# Altium PCB AT short bus ( 7 x 4.2 inches).PCBDOC (part 2 of 4)
Units mil, origin at the board's own origin, x right, y up, seen from the top; angles counter-clockwise.
Board outline 7000 x 4200 mil, 2 copper layers (TopLayer, BottomLayer), stack 65.792 mil thick; 180 components, 429 nets, 1316 pads, 544 vias.
Unrouted connection lines stored in the file: 1.
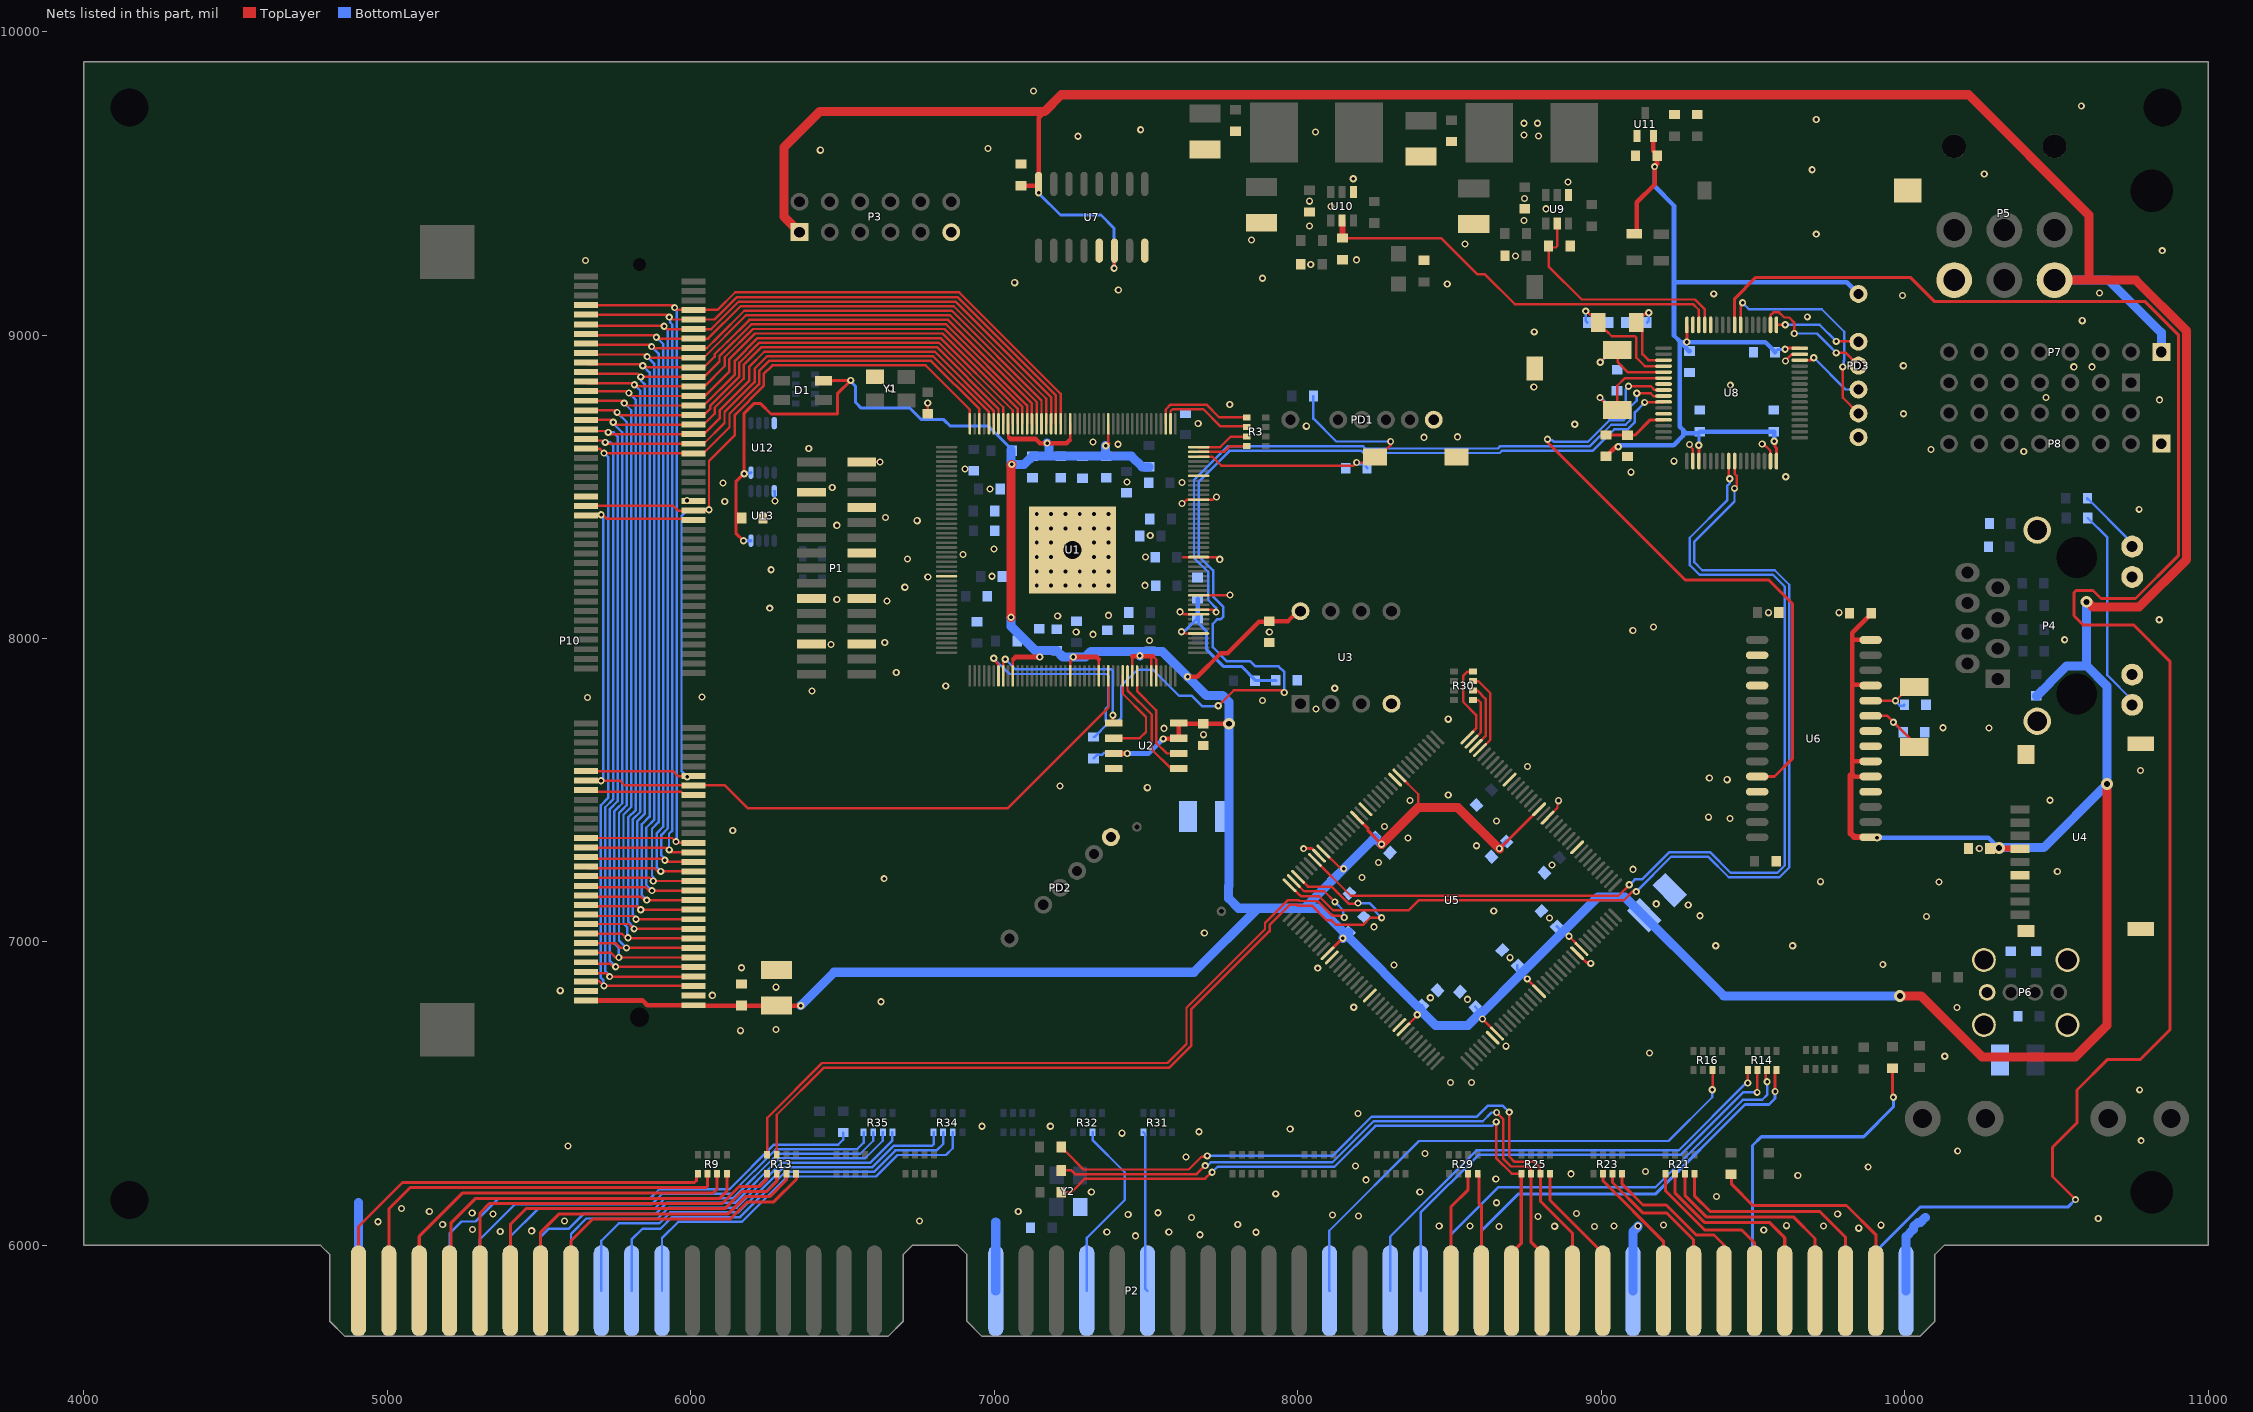
[diagram p2: the nets of this part, all layers, seen from the top]

## Via types
v1: diameter 23.62, hole 12.99, TopLayer to BottomLayer, tented both sides, 193 vias
v2: diameter 24.02, hole 11.81, TopLayer to BottomLayer, tented both sides, 137 vias
v3: diameter 23.62, hole 11.81, TopLayer to BottomLayer, tented both sides, 109 vias
v4: diameter 23.62, hole 11.81, TopLayer to BottomLayer, 38 vias
v5: diameter 25.98, hole 12.99, TopLayer to BottomLayer, tented both sides, 32 vias
v6: diameter 23.62, hole 12.99, TopLayer to BottomLayer, 25 vias
v7: diameter 39.37, hole 19.68, TopLayer to BottomLayer, tented both sides, 5 vias
v8: diameter 70, hole 70, TopLayer to BottomLayer, 2 vias
v9: diameter 39.37, hole 39.37, TopLayer to BottomLayer, tented both sides, 2 vias
v10: diameter 98.43, hole 59.06, TopLayer to BottomLayer, tented both sides, 1 vias

## Nets (pads, with @x,y where several pads share a name; then routed paths per layer and width w, separated by ;. In a path a pad name is that pad's centre, name@x,y a point inside that pad or via, vN(x,y) a via of type N, cw(c..) or ccw(c..) an arc to the next point about the centre after c; other vN are vias at no path point) (continued)
A15: P2.A16 R29.6 | length 409.5
  TopLayer w10: P2.A16@8505,5850 8505,6126.92 8561.75,6183.66 R29.6@8561.75,6236
A16: P2.A15 R29.5 | length 396.6
  TopLayer w10: R29.5@8593.24,6236 8598.09,6231.16 8598.09,6137.6 8605,6130.68 8605,5957.39 8598.09,5950.47 8598.09,5856.91 P2.A15@8605,5850
A17: P2.A14 R25.4 R28.2 | length 2151.1
  TopLayer w8: R28.2@7221.43,6175 7254,6175 7299,6220 7695,6220 7716,6241 v3(7718,6241) ; v3(8654,6407) 8654,6287.79 8705.79,6236 R25.4@8736.67,6236
  TopLayer w10: P2.A14@8705,5850 8705,5975 8736.67,6006.67 R25.4@8736.67,6236
  BottomLayer w8: v3(7718,6241) 7736,6259 8120.79,6259 8255.79,6394 8641,6394 v3(8654,6407)
A18: P2.A13 R25.3 R27.2 | length 2207.3
  TopLayer w8: R27.2@7220.43,6247 7254,6247 7266,6235 7667,6235 v3(7695,6263) ; v3(8655.26,6438) 8676.81,6416.45 8676.81,6286.19 8703,6260 8759,6260 8768,6251 8768,6236.17 R25.3@8768.17,6236
  TopLayer w10: R25.3@8768.17,6236 8768.17,6011.83 8805,5975 P2.A13@8805,5850
  BottomLayer w8: v3(7695,6263) 7695.69,6262.31 7702.31,6262.31 7714,6274 8114.57,6274 8249.63,6409.06 8609.84,6409.06 8638.79,6438 v3(8655.26,6438)
A19: P2.A12 R25.2 R26.2 | length 2319.3
  TopLayer w8: R26.2@7220.43,6324 7220.43,6322.03 7232.18,6310.28 7234.15,6310.28 7294.43,6250 7641,6250 7683.69,6292.69 7702,6292.69 v3(7702,6295) ; v3(8697,6439) 8697,6293 8714.8,6275.2 8779.8,6275.2 8798,6257 8798,6237.66 R25.2@8799.66,6236
  TopLayer w10: R25.2@8799.66,6236 8799.66,6146.34 8905,6041 P2.A12@8905,5850
  BottomLayer w8: v3(7702,6295) 8114.36,6295 8243.42,6424.06 8414.97,6424.06 8415.33,6424.41 8590.55,6424.41 8626.95,6460.81 8675.19,6460.81 v3(8697,6439)
AEN: P2.A11 R25.1 | length 458
  TopLayer w10: R25.1@8831.16,6236 8831.16,6148.84 9005,5975 P2.A11@9005,5850
ALE: P2.B28 R32.7 | length 618.7
  BottomLayer w8: P2.B28@7305,5850 7305,6025 7430,6150 7430,6241 7324.05,6346.95 R32.7@7324.05,6373.01
BRST: P2.B2 U8.56 | length 6142.2
  TopLayer w10: U8.56@9439.84,9033.41 9439.84,9120 9509.84,9190 10018.84,9190 10098.84,9110 10793,9110 10902,9001 10902,8273 10760.89,8131.89 10647.11,8131.89 10621,8158 10565,8158 10558,8151 10558,8075 10588,8045 10754,8045 10874,7925 10874,6710 10777.25,6613.25 10669.25,6613.25 10568,6512 10568,6404 10487,6323 10487,6227 v3(10563,6151)
  BottomLayer w10: P2.B2@9905,5850 9905,5980 10051,6126 10538,6126 v3(10563,6151)
CCLK: U1.168 U2.6 | length 335.7
  TopLayer w8: U1.168@7470.6,7876.65 7470.6,7826.4 7533.99,7763.01 7533.99,7656.01 7569,7621 U2.6@7608.28,7621
CCS: U1.140 U2.1 | length 602.3
  TopLayer w8: U1.140@7029.65,7876.65 7029.78,7876.77 7029.78,7925.78 v2(7036,7932) ; v2(7391,7747) 7391,7723.72 U2.1@7393.72,7721
  BottomLayer w8: v2(7036,7932) 7070,7898 7386,7898 7391,7893 v2(7391,7747)
CLK4: P2.B20 R16.2 | length 1733.1
  TopLayer w8: v3(9366,6513) 9367.08,6514.08 R16.2@9367.08,6578.01
  BottomLayer w8: P2.B20@8105,5850 8104,5851 8104,6048 8400,6344 9222,6344 9366,6488 v3(9366,6513)
CMISO: U1.165 U2.2 | length 331.4
  TopLayer w8: U2.2@7393.72,7671 7479,7671 7500,7692 7500,7741 7423.35,7817.65 U1.165@7423.35,7876.65
CMOSI: U1.166 U2.5 | length 391.1
  TopLayer w8: U1.166@7439.1,7876.65 7439.1,7828.9 7518.99,7749.01 7518.99,7634.01 7582,7571 U2.5@7608.28,7571
CPLD_CFG: U5.66 U8.24 | length 3355.5
  TopLayer w8: U5.66@8056.56,7270.3 8174.86,7152 9057,7152 v2(9093,7188) ; U8.24@9420.16,8584.59 9420.16,8529.84 v2(9424,8526)
  BottomLayer w8: v2(9093,7188) 9110.91,7205.91 9134.69,7205.91 9224.79,7296 9358.71,7296 9426.71,7228 9581,7228 9605,7252 9605,8171 9566,8210 9324,8210 9292,8242 9292,8332 9415,8455 9415,8502.54 9424,8511.54 v2(9424,8526)
CPLD_DONE: U5.72 U8.25 | length 3465.9
  TopLayer w8: U5.72@7973.05,7186.78 7973.55,7186.78 8006.03,7154.3 8007.83,7154.3 8012.23,7149.9 8071.1,7149.9 8117.1,7103.9 8364.8,7103.9 8397.9,7137 9074.54,7137 9103.54,7166 v2(9116,7166) ; v2(9439.42,8494.42) 9447.01,8502.01 9447.01,8535.83 9439.84,8543 U8.25@9439.84,8584.59
  BottomLayer w8: v2(9116,7166) 9231,7281 9352.5,7281 9420.5,7213 9587.21,7213 9620,7245.79 9620,8177.21 9572.21,8225 9333,8225 9307,8251 9307,8319.21 9439.42,8451.63 v2(9439.42,8494.42)
CPLD_TCK: R30.8 U5.35 | length 172.5
  TopLayer w8: U5.35@8572.97,7660.04 8603,7690.07 8603,7789.13 8595.62,7796.5 R30.8@8578,7796.5 R30.8@8575.05,7796.5
CPLD_TDI: R30.7 U5.34 | length 220.6
  TopLayer w8: R30.7@8578,7828 8592.08,7828 8619.29,7800.79 8619.29,7678.52 U5.34@8586.89,7646.12
CPLD_TDO: R30.5 U5.36 | length 271.2
  TopLayer w8: U5.36@8559.06,7673.96 8559.06,7674.46 8588,7703.4 8588,7748.31 8545,7791.31 8545,7876.31 8559.68,7890.99 R30.5@8578,7890.99
CPLD_TMS: R30.6 U5.33 | length 274.3
  TopLayer w8: R30.6@8578,7859.5 8594.83,7859.5 8634.29,7820.04 8634.29,7665.68 U5.33@8600.81,7632.2
CRST: C5.1 R2.1 S1.2 U1.42 | length 1089.6
  TopLayer w8: U1.42@7673.35,8599.09 7718.63,8599.09 7748.49,8569.23 8183.23,8569.23 v2(8194,8580) 8237.14,8580 S1.2@8255.14,8598 8266.95,8598 8305.89,8636.94 v2(8305.89,8649.2)
  BottomLayer w8: R2.1@8051.43,8799 8051.43,8724.57 8126.8,8649.2 v2(8305.89,8649.2) ; v2(8194,8580) 8194,8578.69 8198.69,8574 8217.43,8574 8228.43,8563 C5.1@8228.43,8561
D0: P2.A9 R23.3 | length 468.4
  TopLayer w10: R23.3@9006.08,6236 9006.08,6212.92 9205,6014 P2.A9@9205,5850
D1: P2.A8 R23.2 | length 542.5
  TopLayer w10: R23.2@9037.58,6236 9037.58,6207.42 9139,6106 9217,6106 9305,6018 P2.A8@9305,5850
D2: P2.A7 R23.1 | length 604.2
  TopLayer w10: R23.1@9069.08,6236 9069.08,6201.92 9138,6133 9214.04,6133 9313.04,6034 9372,6034 9405,6001 P2.A7@9405,5850
D3: P2.A6 R21.4 | length 578.6
  TopLayer w10: R21.4@9212.5,6236 9212.5,6179.5 9341,6051 9463,6051 9505,6009 P2.A6@9505,5850
D3V3: C1.2 C2.2 C3.2 C22.1 C27.1 C28.1 C29.1 C30.1 C31.1 C32.1 C33.1 C34.1 C35.1 C36.1 C37.1 C38.1 C39.1 C40.1 C41.1 C42.1 C43.1 C46.2 C47.2 C76.2 C77.1 C78.2 D1.2 L1.2 L2.2 L3.2 L4.2 L5.2 P3.1 P5.2 P7.1 P10.1 R1.2 U1.59 U1.67 U1.80 U1.142 U1.154 U1.160 U1.167 U1.171 U1.172 U2.3 U2.7 U2.8 U3.8 U4.4 U5.19 U5.46 U5.56 U5.64 U5.82 U5.100 U5.116 U5.126 U5.136 U6.15 U6.19 U6.20 U6.25 U6.28 U7.6 U7.16 U12.8 U13.8 | length 25880.1
  TopLayer w8: U1.80@7045.4,8707.35 7045.53,8707.23 7045.53,8665.24 7049.64,8661.14 ; U1.142@7061.15,7876.65 7061.15,7930.15 7063,7932 ; 7249,8654 7249,8658.8 7250.13,8659.92 U1.67@7250.13,8707.35 ; U1.154@7250.13,7876.65 7250.13,7924.79 7260,7934.67 v2(7260,7939) ; U1.160@7344.61,7876.65 7344.74,7876.77 7344.74,7922.66 7345,7922.92 7345,7931 ; v2@7376,8641 7376,8707.24 U1.59@7376.11,8707.35 ; U1.167@7454.85,7876.65 7454.85,7941.85 7455,7942 ; U1.171@7517.84,7876.65 7517.84,7937.84 7522,7942 ; 7523,7941 7533.59,7930.41 U1.172@7533.59,7876.65 ; U5.64@8084.9,7298.14 8142.04,7241 v2(8151,7241) ; U5.46@8334.95,7548.69 8397,7486.64 8397,7443 ; U5.100@8348.87,6712.13 8348.87,6712.63 8394,6757.75 v2(8394,6760) ; v2(8609,6746) 8609,6745.85 U5.116@8656.49,6698.36 ; v2(8756,6878) 8756,6877.54 8795.69,6837.86 U5.126@8795.69,6837.4 ; v2(8894,7019) 8910.98,7002.02 8910.98,7001 8934.88,6977.1 U5.136@8934.88,6976.6 ; U4.4@10380.14,7306.76 U4.4@10380.36,7306.54
  TopLayer w10: v2(6173.62,8321.65) 6148.43,8346.85 6148.43,8516.93 6175.59,8544.09 6175.59,8742.52 6207.06,8773.99 6230.05,8773.99 6264.3,8739.74 6482.68,8739.74 6482.68,8806.27 v2(6526.83,8850.43) 6468.17,8850.43 6466.6,8848.85 D1.2@6437.46,8848.85 ; v2(7394.88,9220.08) 7395.44,9220.64 7395.44,9277.44 U7.6@7396,9278 ; U5.82@8098.32,6962.68 8098.43,6962.68 8147.76,7012 v2(8149,7012) ; U5.56@8195.76,7409.49 8232,7373.25 8232,7366 v2(8276,7322) ; v2@8664.5,7306.5 8795.33,7437.33 U5.19@8795.69,7437.33
  TopLayer w15: P10.1@5654,6807.06 5841.1,6807.06 5856.84,6791.31 P10.1@6008.33,6791.31 6009.64,6790 v2(6362,6790) ; 7049.64,8661.14 7053.35,8657.42 7136.58,8657.42 7150,8644 v2(7174,8644) 7239,8644 7249,8654 ; 7063,7932 7070,7939 v2(7150,7939) ; C46.2@7088,9492.57 7141.84,9492.57 7146,9496.72 U7.16@7146,9498 7146,9716.47 7166.14,9736.61 ; v2(7260,7939) 7337,7939 7345,7931 ; v2(7367,8635) 7370,8635 v2@7376,8641 ; U2.3@7393.72,7621 v2(7438,7621) ; 7455,7942 7479,7942 v2(7480,7943) ; v2@7480,7942 7522,7942 7523,7941 ; v2(7557,7669) 7606.28,7669 U2.7@7608.28,7671 U2.8@7608.28,7721 7609.57,7719.72 7688.78,7719.72 7689.78,7718.72 7771.73,7718.72 v7@7772.51,7719.49 ; v2(7637,7874) 7669,7874 7747,7952 7769.56,7952 7872.29,8054.73 7903.29,8054.73 C1.2@7906,8057.43 7967.99,8057.43 8000.56,8090 U3.8@8009,8090 ; U6.19@9888.01,7545 9835.79,7545 9827,7553.79 9827,7595 ; U6.20@9888.01,7595 9827,7595 ; U6.25@9888.01,7845 9886.11,7846.89 9828.11,7846.89 9827,7848 ; U6.28@9888.01,7995 9887.01,7996 9827,7996 ; C47.2@9889.43,8083 9889.43,8081.03 9827,8018.6 9827,7996 ; 9827,7595 9827,7848 ; 9827,7848 9827,7996
  TopLayer w20: 9827,7553.79 9821.65,7548.44 9821.65,7357.79 9833.37,7346.07 9886.94,7346.07 U6.15@9888.01,7345 ; v7(10311,7309) 10312.23,7307.77 10379.13,7307.77 U4.4@10380.14,7306.76
  TopLayer w30: P3.1@6358,9339 6306.47,9390.53 6306.47,9617.89 6425.2,9736.61 7166.14,9736.61 7221.26,9791.73 10211.02,9791.73 10607.48,9395.28 10607.48,9181.06 ; v2(7055,8070) 7055,8571 v2(7057.5,8573.5) ; v7@7772.51,7719.49 v7(7773,7719) ; v2(8276,7322) 8397,7443 8528,7443 v2@8664.5,7306.5 ; v7(9984,6822) 10054,6822 10255,6621 10563,6621 10667,6725 v7(10667,7520) ; C2.2@10281.43,7308 10281.93,7308.5 10310.5,7308.5 v7(10311,7309) ; P5.2@10494,9181.06 10607.48,9181.06 ; v7(10600,8121) 10602.54,8121 10619.54,8104 10773,8104 10929,8260 10929,9014 10761.94,9181.06 10607.48,9181.06
  BottomLayer w8: R1.2@7327,7604.57 7338.75,7616.31 7355.31,7616.31 7362,7623 7436,7623 v2(7438,7621) ; v2(8394,6760) C36.1@8408.5,6774.5 ; C36.1@8410.89,6776.89 C36.1@8410.89,6790.89 ; C41.1@8585.05,6785.95 8603.5,6767.5 8605.94,6765.06 ; 8606,6765 8605.94,6765.06 ; v2(8609,6746) 8605.94,6749.06 8605.94,6765.06 ; C40.1@8724.05,6922.95 8724.05,6909.95 8737.5,6896.5 v2(8756,6878) ; C42.1@8853.05,7051.95 8872.15,7032.85 8873.85,7032.85 8875.81,7032.85 8889.67,7019 v2(8894,7019)
  BottomLayer w10: v2(6173.62,8321.65) 6174.02,8322.05 6197.83,8322.05 U13.8@6198.23,8322.44 ; v2(6175.59,8542.91) 6177.46,8544.78 6196.36,8544.78 U12.8@6198.23,8546.65 ; v2(6526.83,8850.43) 6526.83,8846.63 6543.31,8830.16 6543.31,8777.56 6561.81,8759.06 6722.05,8759.06 6759.84,8721.26 6833.86,8721.26 6855.51,8699.61 6980.8,8699.61 7059.43,8620.97 L3.2@7059.43,8619 ; v2(7146.06,9468.9) 7146.06,9467.72 7218.5,9395.28 7351.97,9395.28 7394.88,9352.36 v2(7394.88,9220.08)
  BottomLayer w15: v2(7438,7621) 7509,7621 v2(7557,7669) ; v2(8664.78,7307.89) 8686.78,7329.89 8686.78,7330.95 C43.1@8688.84,7330.95 ; v2(9909.06,7343.7) 10276.3,7343.7 v7(10311,7309)
  BottomLayer w30: v2(6362,6790) 6472,6900 7658,6900 7869,7111 ; v2(7055,8070) 7055,8039.68 7134.11,7960.57 C31.1@7148,7960.57 7202.28,7960.57 7203.28,7959.57 C32.1@7206,7959.57 7226.57,7939 v2(7260,7939) 7300,7939 7318.57,7957.57 C27.1@7442,7957.57 ; L3.2@7055.43,8622 7055.43,8571.43 v2(7057.5,8573.5) 7098.5,8573.5 7126,8601 7180,8601 ; v2(7174,8644) 7180,8638 7180,8601 ; v2(7367,8635) C28.1@7367,8601 ; C27.1@7444.72,7957.57 7480,7957.57 ; v2(7480,7943) 7480,7957.57 ; L4.2@7510,8565.57 7487.43,8565.57 7452,8601 C28.1@7367,8601 ; v2(8149,7012) 8149,7013 C37.1@8159.5,7023.5 ; C37.1@8168.95,7031.95 8168.45,7032.45 C37.1@8159.5,7023.5 ; v2(8276,7322) 8254.5,7343.5 8028.2,7117.2 8028.2,7111 ; 8406.5,6772.5 8454,6725 8561,6725 8603.5,6767.5 ; C36.1@8408.5,6774.5 8406.11,6776.89 C37.1@8159.5,7023.5 ; 8606,6765 8737.5,6896.5 8873.85,7032.85 8989,7148 9078,7148 9404,6822 v7(9984,6822) ; v7(10311,7309) 10321,7309 10323,7311 10458,7311 v7(10667,7520) 10667,7842.85 10600,7909.85 ; L5.2@10434,7810.57 10435.97,7810.57 10478.16,7852.76 10478.16,7853.84 10534.17,7909.85 10600,7909.85 ; P5.2@10494,9181.06 10672.94,9181.06 10846,9008 P7.1@10846,8944 ; v7(10600,8121) 10600,7909.85 ; 7180,8601 7291,8601 C28.1@7367,8601 ; 7480,7957.57 7512.43,7957.57 7513,7957 7554,7957 v2(7637,7874) 7698.99,7812.01 7752.09,7812.01 7773,7791.09 v7(7773,7719) 7773,7184.8 7773.22,7184.58 7772.09,7184.58 7772.09,7143.71 7804.81,7111 7869,7111 ; 7869,7111 8028.2,7111 ; 8028.2,7111 8072,7111 C37.1@8159.5,7023.5
D4: P2.A5 R21.3 | length 660.9
  TopLayer w10: R21.3@9244,6236 9244,6172.04 9340.04,6076 9554,6076 9605,6025 P2.A5@9605,5850
D5: P2.A4 R21.2 | length 732
  TopLayer w10: R21.2@9275.5,6236 9275.5,6165.5 9348,6093 9635,6093 9705,6023 P2.A4@9705,5850
D6: P2.A3 R21.1 | length 803.8
  TopLayer w10: R21.1@9306.99,6236 9306.99,6164.01 9360,6111 9721,6111 9805,6027 P2.A3@9805,5850
D7: P2.A2 R19.1 | length 758.3
  TopLayer w10: R19.1@9430,6230.57 9430,6201 9499.65,6131.35 9808.65,6131.35 9905,6035 P2.A2@9905,5850
D8: P2.C11 R13.5 | length 1010.8
  TopLayer w10: P2.C11@5605,5850 5605,6015 5677,6087 6130.04,6087 6186.73,6143.69 6273.69,6143.69 6348,6218 6348,6234.16 R13.5@6346.16,6236
D9: P2.C12 R13.6 | length 1094.6
  TopLayer w10: P2.C12@5505,5850 5505,6043 5566,6104 6123,6104 6179.69,6160.69 6259.77,6160.69 6314.67,6215.58 R13.6@6314.67,6236
D10: P2.C13 R13.7 | length 1181.5
  TopLayer w10: P2.C13@5405,5850 5405,6069 5457,6121 6112,6121 6168.69,6177.69 6250.69,6177.69 6283.17,6210.17 R13.7@6283.17,6236
D10a: R13.2 U5.70 | length 2867.3
  TopLayer w8: R13.2@6283.17,6298.99 6283.17,6430.6 6438.57,6586 7577.29,6586 7648.5,6657.21 7648.5,6776.89 7907.2,7035.59 7907.2,7056.16 7973.01,7121.97 7997.74,7121.97 7999.81,7119.9 8046.8,7119.9 8095.8,7070.9 8111.6,7070.9 8125.5,7057 8216.5,7057 8239.2,7079.7 v4(8276.3,7079.7) ; U5.70@8000.89,7214.62 8033.41,7182.1 8111.9,7182.1 8167.8,7126.2 8197,7126.2 v4(8198.6,7127.8)
  BottomLayer w8: v4(8198.6,7127.8) 8236.9,7127.8 8255.11,7109.59 8255.11,7100.89 v4(8276.3,7079.7)
D11: P2.C14 R13.8 | length 1266.7
  TopLayer w10: P2.C14@5305,5850 5305,6107 5336,6138 6104,6138 6160.69,6194.69 6226.69,6194.69 6251.67,6219.67 R13.8@6251.67,6236
D11a: R13.1 U5.71 | length 2653.2
  TopLayer w8: R13.1@6251.67,6298.99 6251.67,6420.31 6432.36,6601 7571.07,6601 7633.5,6663.43 7633.5,6783.11 7892.2,7041.81 7892.2,7062.37 7966.8,7136.97 8003.95,7136.97 8006.02,7134.9 8064.89,7134.9 8110.89,7088.9 8113.2,7088.9 8116.2,7085.9 8147.8,7085.9 v4(8153.1,7080.6) ; U5.71@7986.97,7200.7 8020.57,7167.1 8087.5,7167.1 v4(8122.6,7132)
  BottomLayer w8: v4(8122.6,7132) 8150.19,7104.41 8150.19,7083.51 v4(8153.1,7080.6)
D12: P2.C15 R9.5 | length 1235.4
  TopLayer w10: P2.C15@5205,5850 5209,5854 5209,6073 5291,6155 6095,6155 6118.5,6178.5 R9.5@6118.5,6236
D13: P2.C16 R9.6 | length 1276.6
  TopLayer w10: P2.C16@5105,5850 5105,6030 5247,6172 6073,6172 6087,6186 R9.6@6087,6236
D14: P2.C17 R9.7 | length 1392.5
  TopLayer w10: P2.C17@5005,5850 5005,6120.75 5074.25,6190 6049.65,6190 6055.5,6195.86 R9.7@6055.5,6236
D15: P2.C18 R9.8 | length 1413
  TopLayer w10: P2.C18@4905,5850 4905,6062 5050,6207 6012,6207 6019.17,6214.17 6019.17,6231.16 R9.8@6024.01,6236
DACK0#: P2.D8 R34.7 | length 1307.7
  BottomLayer w8: P2.D8@5905,5850 5905,6024 5959,6078 6168.57,6078 6317.57,6227 6609.64,6227 6680.57,6297.93 6840.93,6297.93 6863.13,6320.13 R34.7@6863.13,6373.01
DACK1#: P2.B17 R14.3 | length 1605.3
  TopLayer w8: v3(9514,6504) 9514,6577.01 R14.3@9515,6578.01
  BottomLayer w8: P2.B17@8405,5850 8405,6107.79 8595.21,6298 9261.79,6298 9467.79,6504 v3(9514,6504)
DACK2#: P2.B26 R31.5 | length 528.6
  BottomLayer w8: R31.5@7491.51,6373.01 7497.35,6367.17 7497.35,5857.65 P2.B26@7505,5850
DACK3#: P2.B15 R14.1 | length 1442.4
  TopLayer w10: v3(9573,6507) 9573,6573.02 R14.1@9577.99,6578.01
  BottomLayer w10: P2.B15@8605,5850 8605,6047.52 8727.48,6170 9179.83,6170 9473.83,6464 9553,6464 9573,6484 v3(9573,6507)
DACK5#: P2.D10 R34.5 | length 1431.8
  BottomLayer w8: P2.D10@5705,5850 5705,6015 5762.44,6072.44 5896.06,6072.44 5932.62,6109 6157.15,6109 6305.15,6257 6597.21,6257 6668.15,6327.93 6794.93,6327.93 6800.14,6333.14 R34.5@6800.14,6373.01
DACK6#: P2.D12 R35.7 | length 1465.2
  BottomLayer w8: P2.D12@5505,5850 5505,6028 5531.33,6054.33 5596.85,6054.33 5646.1,6103.58 5883.9,6103.58 5920.31,6140 6145.72,6140 6292.72,6287 6574.96,6287 6632.68,6344.71 R35.7@6632.68,6373.01
DACK7#: P2.D14 R35.5 | length 1601
  BottomLayer w8: P2.D14@5305,5850 5305,6020 5421.22,6136.22 5872.05,6136.22 5905.83,6170 6133.29,6170 6280.29,6317 6548,6317 6569.69,6338.69 R35.5@6569.69,6373.01
DDR_VREF: C11.2 C12.1 R5.2 R7.1 U1.5 | length 587.7
  TopLayer w8: v2@7622.59,8016.41 U1.5@7673.35,8016.41
  TopLayer w10: v2(7617,8022) v2@7622.59,8016.41
  BottomLayer w10: v2(7617,8022) 7625.03,8022 7668.03,8065 C11.2@7670,8065 7672.86,8067.86 7672.86,8050.14 7700,8023 7700,7963 7754.71,7908.29 7814.71,7908.29 R5.2@7862,7861 ; R5.2@7859.3,7861 R5.2@7862,7861 ; R7.1@7927.57,7862 7926.57,7861 R5.2@7862,7861